# KiCad board beaglebone-ai-rev-a2.kicad_pcb (continued)
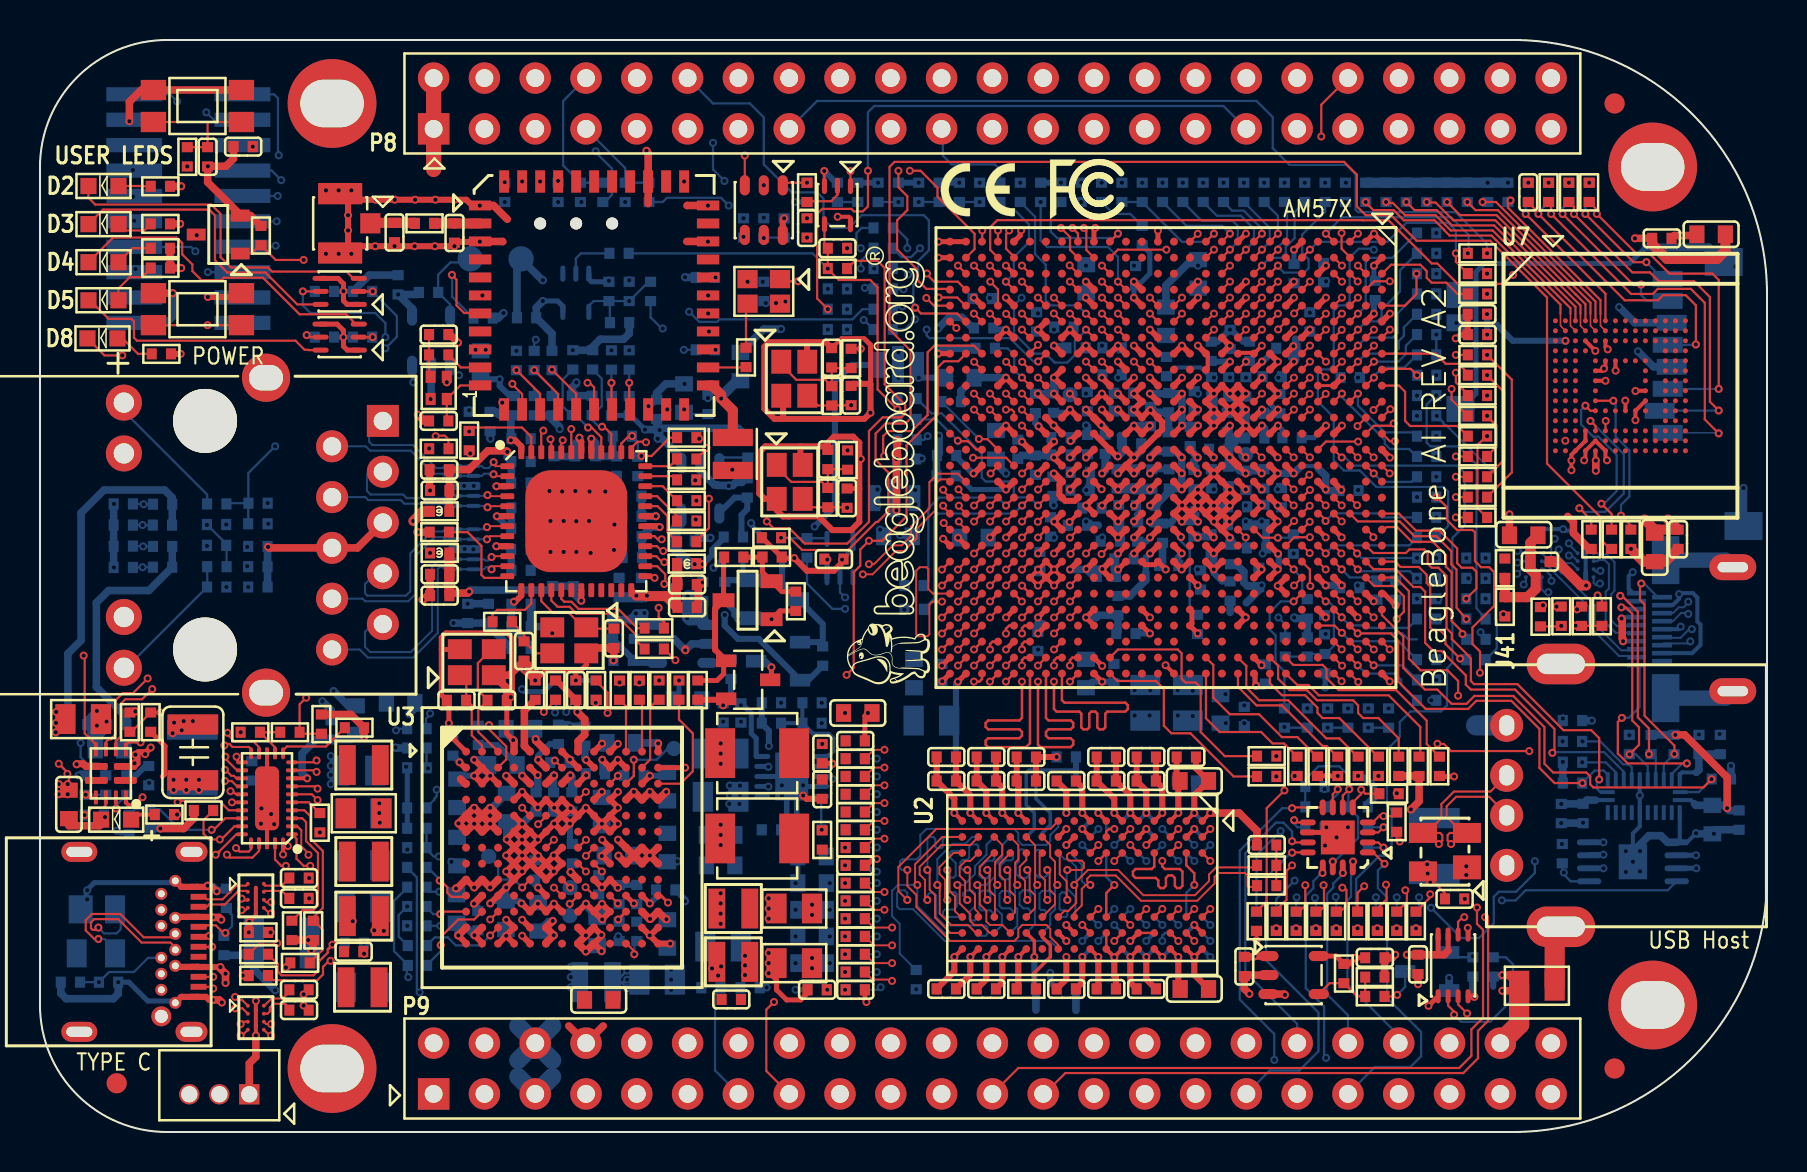
[diagram p0: board, top side]
## Routing (per net, layer and track width the routed paths; a pad name or vN(x,y) marks a point on that pad's centre or on a via; arc(x,y) is an arc through that point) (continued)
/DDR/DDR Part 1/DDR1_D4: length 32.8
  TOP w0.127: U4.AF24 v1(46.71,25.73)
  SIG_L5 w0.121: v1(46.71,25.73) 47.12,26.14 47.69,26.14 47.9,26.35 47.9,26.72 48.1,26.92 48.45,26.92 48.7,27.18 48.7,27.52 48.9,27.72 49.3,27.72 49.5,27.52 49.5,27.18 49.75,26.92 50.1,26.92 50.3,26.72 50.3,26.38 50.55,26.12 50.9,26.12 51.1,25.92 51.1,25.58 51.4,25.28 52.11,25.28 55.12,22.27 55.12,21.84 58.92,18.04 58.92,12.97 57.35,11.41 57.35,11.06 57.08,10.78 56.83,10.78 56.55,10.51 56.55,10.26 56.28,9.98 56.03,9.98 55.75,9.71 55.75,9.46 55.47,9.17 53.31,9.17 v1(52.92,9.55)
  BOTTOM w0.127: U11.G2 v1(52.92,9.55)
/DDR/DDR Part 1/DDR1_D5: length 32.3
  TOP w0.127: U4.AE24 v1(47.51,25.73)
  SIG_L5 w0.121: v1(47.51,25.73) 47.75,25.73 48.14,26.11 48.49,26.11 48.7,26.32 48.7,26.7 48.93,26.92 49.28,26.92 49.5,26.7 49.5,26.38 49.75,26.12 50.05,26.12 50.3,25.88 50.3,25.52 50.5,25.32 50.85,25.32 51.28,24.9 51.92,24.9 52.68,24.14 52.68,23.18 52.94,22.93 53.95,22.93 54.34,22.55 54.34,21.79 54.46,21.66 54.78,21.66 54.91,21.53 54.91,21.34 54.78,21.22 54.46,21.22 54.34,21.09 54.34,20.58 54.46,20.45 56.05,20.45 58.12,18.38 58.12,13.32 56.52,11.72 56.52,10.95 56.32,10.75 56,10.75 55.72,10.47 55.72,10.15 55.53,9.96 52.62,9.96 52.49,10.09 52.49,10.23 52.62,10.35 v1(52.92,10.35)
  BOTTOM w0.127: U11.H3 v1(52.92,10.35)
/DDR/DDR Part 1/DDR1_D6: length 32.4
  TOP w0.127: U4.AF23 v1(46.71,26.53)
  SIG_L5 w0.121: v1(54.52,13.55) 54.56,13.6 54.81,13.6 55.17,13.95 55.58,13.95 55.76,14.13 55.76,14.53 55.98,14.75 56.37,14.75 56.52,14.9 56.52,16.5 56.37,16.64 56.18,16.64 56.05,16.77 56.05,16.96 56.18,17.09 56.81,17.09 56.94,17.22 56.94,17.41 56.81,17.53 55.67,17.53 55.54,17.66 55.54,18.29 55.41,18.42 53.7,18.42 53.57,18.55 53.57,19.82 53.45,19.95 52.05,19.95 51.92,20.07 51.92,20.26 52.05,20.39 53.45,20.39 53.57,20.52 53.57,20.71 53.45,20.83 52.05,20.83 51.92,20.96 51.92,21.15 52.05,21.28 53.45,21.28 53.57,21.41 53.57,21.6 53.45,21.72 52.05,21.72 51.92,21.85 51.92,23.6 51.8,23.72 49.75,23.72 49.5,23.98 49.5,25.09 49.27,25.32 46.55,25.32 46.3,25.58 46.3,26.12 v1(46.71,26.53)
  BOTTOM w0.127: U11.F7 v1(54.52,13.55)
/DDR/DDR Part 1/DDR1_D7: length 32.5
  TOP w0.127: U4.AE23 v1(47.51,26.53)
  SIG_L5 w0.121: v1(53.72,14.35) 53.72,14.63 54.09,15 54.09,15.37 53.9,15.56 53.57,15.56 53.32,15.82 53.32,16.33 53.13,16.52 53.13,17.15 53,17.28 51.54,17.28 50.46,18.36 50.46,18.99 50.33,19.12 49.7,19.12 49.57,19.25 49.57,19.44 49.7,19.56 50.65,19.56 50.78,19.69 50.78,19.88 50.65,20.01 48.81,20.01 48.68,20.14 48.68,20.33 48.81,20.45 50.65,20.45 50.78,20.58 50.78,20.77 50.65,20.9 48.43,20.9 48.3,21.03 48.3,21.53 48.18,21.66 46.02,21.66 45.89,21.79 45.89,21.98 46.02,22.1 47.79,22.1 47.92,22.23 47.92,22.8 47.79,22.93 46.46,22.93 46.3,23.09 46.3,25.1 46.04,25.36 45.75,25.36 45.54,25.57 45.54,26.76 45.7,26.92 47.11,26.92 v1(47.51,26.53)
  BOTTOM w0.127: U11.F8 v1(53.72,14.35)
/DDR/DDR Part 1/DDR1_D8: length 30.4
  TOP w0.127: U4.AC23 v1(49.11,27.32)
  SIG_L10 w0.121: v1(49.11,27.32) 49.09,27.3 49.09,27.08 48.61,26.6 48.61,26.43 48.91,26.13 50.07,26.13 50.33,25.87 50.33,25.53 50.53,25.34 50.84,25.34 51.22,24.96 51.48,24.96 52.68,23.76 52.68,23.18 52.94,22.93 53.38,22.93 53.51,22.8 53.51,22.36 53.64,22.23 53.85,22.23 53.98,22.1 53.98,21.91 53.85,21.79 53.19,21.79 53.07,21.66 53.07,21.47 53.19,21.34 54.98,21.34 55.11,21.22 55.11,20.58 55.24,20.45 56.24,20.45 56.68,20.01 57.61,20.01 61.26,16.36 61.26,11.99 58.83,9.55 v1(58.52,9.55)
  BOTTOM w0.127: U11.A2 v1(58.52,9.55)
/DDR/DDR Part 1/DDR1_D9: length 30.8
  TOP w0.127: U4.AF27 v1(46.7,23.32)
  SIG_L10 w0.121: v1(46.7,23.32) 46.46,23.32 46.07,23.72 45.74,23.72 45.51,23.49 45.51,22.23 45.58,22.16 45.58,22.16 45.89,21.85 45.89,20.64 46.65,19.88 49.38,19.88 49.51,19.76 49.51,18.55 51.73,16.33 51.73,13.34 52.11,12.96 52.11,11.69 51.73,11.31 51.73,9.28 51.86,9.15 54.78,9.15 54.91,9.29 54.91,10.49 55.16,10.74 55.54,10.74 55.73,10.93 55.73,11.31 56.11,11.69 56.11,12.64 56.49,13.02 56.49,14.23 56.37,14.35 v1(56.12,14.35)
  BOTTOM w0.127: U11.D7 v1(56.12,14.35)
/DDR/DDR Part 1/DDR1_D10: length 30.3
  TOP w0.127: U4.AG27 v1(45.9,23.32)
  SIG_L10 w0.121: v1(57.72,14.35) 57.72,14.35 57.32,14.75 55.82,14.75 55.69,14.62 55.69,12.64 55.57,12.52 55.03,12.52 54.91,12.39 54.91,12.2 55.03,12.07 55.57,12.07 55.69,11.94 55.69,11.75 55.57,11.63 55.03,11.63 54.91,11.5 54.91,10.99 54.65,10.74 54.34,10.74 54.14,10.55 54.14,10.1 54.02,9.98 52.62,9.98 52.49,10.1 52.49,11.25 52.94,11.69 52.94,12.9 52.49,13.34 52.49,16.2 52.37,16.33 52.24,16.33 49.95,18.61 49.95,20.14 49.83,20.26 46.78,20.26 46.27,20.77 46.27,22.87 45.9,23.23 v1(45.9,23.32)
  BOTTOM w0.127: U11.B8 v1(57.72,14.35)
/DDR/DDR Part 1/DDR1_D11: length 30.3
  TOP w0.127: U4.AF28 47.1,22.65 46.98,22.52 v1(46.7,22.52)
  SIG_L10 w0.121: v1(46.7,22.52) 46.7,22.13 46.61,22.04 46.61,20.94 46.91,20.64 50.21,20.64 50.33,20.52 50.33,18.74 52.37,16.71 53.21,16.71 53.33,16.58 53.33,13.28 53.46,13.15 53.7,13.15 53.83,13.02 53.83,12.9 53.7,12.77 53.45,12.77 53.32,12.64 53.32,12.07 53.45,11.94 53.72,11.94 53.83,11.83 53.83,11.68 53.72,11.56 53.46,11.56 53.29,11.39 53.29,10.91 53.46,10.74 53.83,10.74 54.14,11.06 54.14,11.5 54.27,11.63 54.53,11.63 54.65,11.75 54.65,11.94 54.53,12.07 54.27,12.07 54.14,12.2 54.14,12.39 54.27,12.52 54.53,12.52 54.65,12.64 54.65,12.83 54.53,12.96 54.27,12.96 54.14,13.09 54.14,13.85 54.27,13.98 54.79,13.98 54.91,14.1 54.91,14.62 54.79,14.74 54.27,14.74 54.1,14.91 54.1,15.39 54.28,15.57 56.13,15.57 56.26,15.44 56.26,15.29 v1(56.12,15.15)
  BOTTOM w0.127: U11.C8 v1(56.12,15.15)
/DDR/DDR Part 1/DDR1_D12: length 30.4
  TOP w0.127: U4.AE26 47.64,24.52 47.51,24.4 v1(47.51,24.13)
  SIG_L10 w0.121: v1(47.51,24.13) 47.51,23.89 47.64,23.76 50.03,23.76 50.33,23.45 50.33,23.06 50.46,22.93 50.84,22.93 51.1,22.68 51.1,22.23 51.22,22.1 51.8,22.1 51.92,21.98 51.92,20.32 52.05,20.2 53.45,20.2 53.57,20.07 53.57,18.99 53.7,18.87 57.19,18.87 59.67,16.39 59.67,12.07 59.54,11.94 57.65,11.94 57.52,11.82 57.52,11.56 57.4,11.44 57.19,11.44 57.07,11.56 57.07,12.52 56.94,12.64 56.62,12.64 56.49,12.52 56.49,10.48 56.62,10.35 v1(56.92,10.35)
  BOTTOM w0.127: U11.C3 v1(56.92,10.35)
/DDR/DDR Part 1/DDR1_D13: length 30.4
  TOP w0.127: v1(49.11,24.93) 49.11,25.2 49.24,25.32 U4.AC25
  SIG_L10 w0.121: v1(56.12,9.55) U11.C2 57.17,9.95 57.35,10.13 57.35,10.56 57.52,10.74 57.93,10.74 58.11,10.56 58.11,10.13 58.29,9.95 58.7,9.95 60.88,12.14 60.88,13.79 60.43,14.23 60.43,14.48 60.88,14.93 60.88,16.2 57.45,19.63 56.56,19.63 56.11,20.07 54.46,20.07 54.34,20.2 54.34,20.83 54.21,20.96 52.81,20.96 52.68,21.09 52.68,22.68 52.3,23.06 52.3,23.64 51.43,24.52 50.6,24.52 50.33,24.78 50.33,25.04 50.03,25.34 49.8,25.34 49.39,24.93 v1(49.11,24.93)
  BOTTOM w0.127: v1(56.12,9.55) 56.12,9.82 56.26,9.95 U11.C2
/DDR/DDR Part 1/DDR1_D14: length 30.4
  TOP w0.127: U4.AC24 v1(49.11,25.73)
  SIG_L10 w0.121: v1(49.11,25.73) 49.33,25.73 49.45,25.62 49.45,25.46 49.33,25.34 48.81,25.34 48.69,25.46 48.69,25.88 48.44,26.14 48.13,26.14 47.91,25.92 47.91,25.47 47.79,25.34 47.34,25.34 47.22,25.23 47.22,25.07 47.34,24.96 47.79,24.96 47.91,24.84 47.91,24.71 47.76,24.56 46.55,24.56 46.32,24.33 46.32,23.95 46.55,23.72 46.88,23.72 47.11,23.49 47.11,23.32 47.11,23.31 47.11,21.15 47.24,21.03 50.59,21.03 50.72,20.9 50.72,19.44 51.22,18.93 51.22,18.36 52.49,17.09 53.57,17.09 53.7,16.96 53.7,16.45 53.82,16.33 56.36,16.33 56.54,16.15 56.54,15.68 56.66,15.56 57.19,15.56 57.32,15.69 57.32,16.2 57.48,16.36 57.89,16.36 58.13,16.11 58.13,14.04 58.26,13.91 58.39,13.91 58.52,14.04 v1(58.52,14.35)
  BOTTOM w0.127: U11.A7 v1(58.52,14.35)
/DDR/DDR Part 1/DDR1_D15: length 30.4
  TOP w0.127: v1(48.3,24.92) 48.3,25.16 48.46,25.32 U4.AD25
  SIG_L10 w0.121: v1(48.3,24.92) 48.3,24.59 48.39,24.51 50.06,24.51 50.33,24.24 50.33,23.92 50.5,23.76 51.73,23.76 51.92,23.57 51.92,22.93 52.3,22.55 52.3,20.72 52.44,20.58 53.83,20.58 53.95,20.45 53.95,19.37 54.08,19.25 54.27,19.25 54.4,19.37 54.4,19.56 54.53,19.69 54.72,19.69 54.84,19.56 54.84,19.37 54.97,19.25 55.16,19.25 55.29,19.37 55.29,19.56 55.41,19.69 55.99,19.69 56.11,19.56 56.11,19.37 56.24,19.25 57.32,19.25 60.47,16.09 60.47,15.92 60.37,15.82 60.18,15.82 60.05,15.69 60.05,15.5 60.18,15.37 60.37,15.37 60.49,15.25 60.49,15.06 60.37,14.93 60.18,14.93 60.05,14.8 60.05,13.9 60.17,13.78 60.37,13.78 60.49,13.65 60.49,13.42 60.37,13.3 60.17,13.3 60.05,13.18 60.05,12.96 60.18,12.83 60.37,12.83 60.49,12.71 60.49,12.52 60.37,12.39 60.18,12.39 60.05,12.26 60.05,11.82 59.8,11.56 58.23,11.56 58.11,11.44 58.11,11.04 58.52,10.63 v1(58.52,10.35)
  BOTTOM w0.127: U11.A3 v1(58.52,10.35)
/DDR/DDR Part 1/DDR1_D16: length 31.5
  TOP w0.127: U4.V20 v1(53.08,28.91) ; U2.H8 v1(52.12,10.35)
  INT_L3 w0.121: v1(53.08,28.91) 52.74,28.56 52.74,28.02 53.81,26.95 54.92,26.95 58.92,22.96 58.92,12.07 58.16,11.31 58.16,11.02 57.85,10.72 57.57,10.72 57.36,10.51 57.36,10.2 57.07,9.92 56.77,9.92 56.56,9.71 56.56,9.4 56.27,9.12 55.97,9.12 55.76,8.91 55.76,8.61 55.5,8.35 54.41,8.35 54.16,8.6 54.16,8.89 53.9,9.14 53.58,9.14 53.29,9.44 53.29,9.71 53.05,9.94 52.53,9.94 v1(52.12,10.35)
/DDR/DDR Part 1/DDR1_D17: length 31.5
  TOP w0.127: U2.H7 v1(52.92,11.15) ; U4.W20 v1(52.31,28.93)
  INT_L3 w0.121: v1(52.31,28.93) 51.94,29.3 51.37,29.3 51.1,29.03 51.1,26.42 51.38,26.14 53.7,26.14 55.55,24.29 56.57,24.29 58.22,22.64 58.22,16.97 57.32,16.07 57.32,11.75 57.09,11.52 56.77,11.52 56.56,11.31 56.56,11 56.27,10.72 55.97,10.72 55.76,10.51 55.76,10.19 55.52,9.95 53.52,9.95 53.32,10.15 53.32,10.75 v1(52.92,11.15)
/DDR/DDR Part 1/DDR1_D18: length 31.3
  TOP w0.127: U2.E3 v1(54.52,14.35) ; v1(49.9,22.52) 49.9,19.37 50.03,19.25 51.54,19.25 51.67,19.37 51.67,19.56 51.54,19.69 50.43,19.69 50.3,19.82 50.3,20.01 50.43,20.14 51.54,20.14 51.67,20.26 51.67,20.45 51.54,20.58 50.43,20.58 50.3,20.71 U4.AB28
  INT_L3 w0.121: v1(49.9,22.52) 49.9,22.77 50.03,22.9 50.99,22.9 51.12,23.02 51.12,23.5 51.45,23.82 51.45,24.48 51.57,24.61 53.71,24.61 53.84,24.48 53.84,23.28 53.96,23.15 54.6,23.15 54.73,23.02 54.73,22.64 54.85,22.51 56,22.51 56.18,22.33 56.18,17.42 54.92,16.15 54.92,14.75 v1(54.52,14.35)
/DDR/DDR Part 1/DDR1_D19: length 31.5
  TOP w0.127: v1(49.1,22.52) 49.1,20.71 48.98,20.58 47.41,20.58 47.29,20.45 47.29,20.26 47.41,20.14 48.98,20.14 49.1,20.01 49.1,19.82 48.98,19.69 47.41,19.69 47.29,19.56 47.29,19.37 47.41,19.25 49.31,19.25 49.5,19.44 U4.AC28 ; U2.F2 v1(54.52,15.15)
  INT_L3 w0.121: v1(49.1,22.52) 49.1,21.82 49.23,21.69 54.15,21.69 54.6,21.24 54.98,21.24 55.11,21.12 55.11,20.55 54.98,20.42 54.66,20.42 54.53,20.29 54.53,17.05 54.41,16.93 53.01,16.93 52.88,16.8 52.88,16.61 53.01,16.48 53.19,16.48 53.32,16.35 53.32,14.95 53.52,14.75 54.33,14.75 54.52,14.94 v1(54.52,15.15)
/DDR/DDR Part 1/DDR1_D20: length 31.2
  TOP w0.127: U2.G2 53.32,15.03 53.45,15.15 v1(53.72,15.15) ; v1(49.1,23.32) 49.1,23.6 49.23,23.72 U4.AC27
  INT_L3 w0.121: v1(49.1,23.32) 49.51,22.92 49.51,22.2 49.64,22.07 51.77,22.07 51.89,22.2 51.89,24.1 52.02,24.23 52.2,24.23 52.32,24.1 52.32,22.2 52.45,22.07 52.6,22.07 52.73,22.2 52.73,24.1 52.86,24.23 53.37,24.23 53.49,24.1 53.49,22.2 53.62,22.07 53.77,22.07 53.9,22.2 53.9,22.64 54.03,22.77 54.22,22.77 54.34,22.64 54.34,21.96 54.68,21.63 55.73,21.63 55.86,21.5 55.86,20.16 55.73,20.04 55.04,20.04 54.92,19.91 54.92,19.72 55.04,19.59 55.68,19.59 55.8,19.47 55.8,19.28 55.68,19.15 55.04,19.15 54.92,19.02 54.92,18.83 55.04,18.7 55.68,18.7 55.8,18.58 55.8,18.39 55.68,18.26 55.04,18.26 54.92,18.13 54.92,17.94 55.04,17.82 55.68,17.82 55.8,17.69 55.8,17.5 55.68,17.37 55.04,17.37 54.92,17.24 54.92,16.67 54.79,16.55 54.25,16.55 54.12,16.42 54.12,15.31 53.97,15.15 v1(53.72,15.15)
/DDR/DDR Part 1/DDR1_D21: length 31
  TOP w0.127: U2.F7 v1(54.52,10.35) ; v1(51.5,29.73) U4.Y19
  INT_L3 w0.121: v1(54.52,10.35) 54.92,10.75 55.52,10.75 55.72,10.95 55.72,11.28 56,11.55 56.32,11.55 56.52,11.75 56.52,16.23 56.64,16.35 57.07,16.35 57.84,17.12 57.84,20.04 57.28,20.6 57.28,23.07 56.44,23.91 56,23.91 55.87,23.78 55.87,23.53 55.74,23.4 55.55,23.4 55.42,23.53 55.42,23.78 55.3,23.91 54.73,23.91 54.6,24.04 54.6,24.74 53.99,25.35 51.33,25.35 51.12,25.55 51.12,25.87 50.85,26.14 50.55,26.14 50.32,26.37 50.32,29.98 50.46,30.12 51.33,30.12 51.46,30 51.46,29.77 v1(51.5,29.73)
/DDR/DDR Part 1/DDR1_D22: length 31.1
  TOP w0.127: U2.H3 v1(52.92,14.35) ; U4.AB27 v1(49.9,23.32)
  INT_L3 w0.121: v1(49.9,23.32) 49.84,23.39 49.6,23.39 49.26,23.74 48.84,23.74 48.71,23.61 48.71,21.43 48.84,21.31 54.03,21.31 54.15,21.18 54.15,20.99 54.03,20.86 52.74,20.86 52.62,20.74 52.62,20.55 52.74,20.42 54.03,20.42 54.15,20.29 54.15,20.1 54.03,19.97 52.77,19.97 52.64,19.85 52.64,19.66 52.77,19.53 54.03,19.53 54.15,19.4 54.15,19.21 54.03,19.09 52.82,19.09 52.69,18.96 52.69,18.77 52.82,18.64 54.03,18.64 54.15,18.51 54.15,18.32 54.03,18.2 52.82,18.2 52.69,18.07 52.69,17.88 52.82,17.75 54.03,17.75 54.15,17.62 54.15,17.43 54.03,17.31 52.63,17.31 52.5,17.18 52.5,15.66 52.38,15.53 51.87,15.53 51.74,15.4 51.74,14.89 51.87,14.77 52.88,14.77 53.01,14.64 53.01,14.42 52.95,14.35 v1(52.92,14.35)
/DDR/DDR Part 1/DDR1_D23: length 31.1
  TOP w0.127: v1(51.54,28.91) 51.54,28.96 U4.Y20 ; U2.F8 v1(53.72,9.55)
  INT_L3 w0.121: v1(51.54,28.91) 51.81,28.63 51.82,28.63 51.92,28.53 51.92,26.71 52.08,26.55 52.31,26.55 52.44,26.68 52.44,27.28 52.57,27.4 52.76,27.4 52.88,27.28 52.88,26.68 53.01,26.55 54.73,26.55 54.85,26.43 54.85,25.48 54.98,25.35 56.01,25.35 58.59,22.77 58.59,16.58 58.12,16.11 58.12,11.75 57.89,11.52 57.57,11.52 57.36,11.31 57.36,11 57.07,10.72 56.77,10.72 56.56,10.51 56.56,10.2 56.27,9.92 55.97,9.92 55.76,9.71 55.76,9.4 55.52,9.16 54.36,9.16 53.97,9.55 v1(53.72,9.55)
/DDR/DDR Part 1/DDR1_D24: length 30.4
  TOP w0.127: U2.A7 v1(58.52,11.15) ; U4.AA23 v1(50.71,26.53)
  SIG_L8 w0.121: v1(50.71,26.53) 50.65,26.53 50.53,26.66 50.53,26.8 50.65,26.93 50.99,26.93 51.12,26.8 51.12,25.57 51.72,24.96 52.56,24.96 53.51,24.01 53.51,22.68 53.64,22.55 53.83,22.55 53.95,22.68 53.95,22.99 54.08,23.12 54.46,23.12 54.59,22.99 54.59,22.61 54.34,22.36 54.34,21.34 54.46,21.22 55.73,21.22 55.92,21.03 55.92,20.58 55.8,20.45 55.35,20.45 55.22,20.33 55.22,20.14 55.35,20.01 55.8,20.01 55.92,19.88 55.92,18.93 56.24,18.61 57.32,18.61 57.57,18.36 57.95,18.36 58.21,18.61 58.84,18.61 59.67,17.79 59.67,11.75 59.54,11.63 59.29,11.63 59.16,11.5 59.16,11.31 59.29,11.18 59.54,11.18 59.67,11.06 59.67,10.87 59.54,10.74 58.27,10.74 58.15,10.87 58.15,11.03 58.27,11.15 v1(58.52,11.15)
/DDR/DDR Part 1/DDR1_D25: length 30.4
  TOP w0.127: U2.D7 v1(56.12,11.15) ; U4.Y22 v1(51.51,27.33)
  SIG_L8 w0.121: v1(56.12,11.15) 56.52,10.75 56.52,9.31 56.68,9.15 57.05,9.15 57.32,8.88 57.32,8.58 57.52,8.38 58.71,8.38 61.26,10.93 61.26,17.72 57.29,21.69 56.74,21.69 56.49,21.93 56.49,22.58 52.02,27.05 51.78,27.05 v1(51.51,27.33)
/DDR/DDR Part 1/DDR1_D26: length 30.3
  TOP w0.127: U4.Y23 v1(51.51,26.53) ; U2.C8 v1(56.92,9.55)
  SIG_L8 w0.121: v1(56.92,9.55) 57.17,9.55 57.57,9.15 58.97,9.15 60.43,10.61 60.43,11.38 60.55,11.5 60.81,11.5 60.93,11.62 60.93,11.86 60.81,11.98 60.55,11.98 60.43,12.1 60.43,12.34 60.55,12.46 60.81,12.46 60.93,12.58 60.93,12.83 60.81,12.95 60.55,12.95 60.43,13.07 60.43,13.31 60.55,13.43 60.81,13.43 60.93,13.55 60.93,13.79 60.81,13.91 60.55,13.91 60.43,14.03 60.43,14.62 60.55,14.74 60.81,14.74 60.93,14.86 60.93,15.1 60.81,15.22 60.55,15.22 60.43,15.34 60.43,15.58 60.55,15.7 60.81,15.7 60.93,15.83 60.93,16.07 60.81,16.19 60.55,16.19 60.43,16.31 60.43,16.55 60.55,16.67 60.81,16.67 60.93,16.79 60.93,17.03 60.81,17.15 60.55,17.15 60.43,17.27 60.43,18.04 58.08,20.39 57.51,20.39 57.27,20.63 57.27,21.2 57.13,21.34 56.62,21.34 56.11,21.85 56.11,22.49 52.07,26.53 v1(51.51,26.53)
/DDR/DDR Part 1/DDR1_D27: length 29.9
  TOP w0.127: U2.C3 v1(56.92,14.35) ; U4.AA24 v1(50.71,25.73)
  SIG_L8 w0.121: v1(56.92,14.35) 56.92,14.5 56.79,14.62 56.63,14.62 56.51,14.5 56.51,14.07 56.63,13.94 57.22,13.94 57.35,14.07 57.35,14.61 57.47,14.74 57.87,14.74 58.11,14.98 58.11,15.41 57.95,15.57 55.04,15.57 54.91,15.69 54.91,16.25 54.78,16.39 54.65,16.39 54.53,16.52 54.53,16.71 54.65,16.83 55.16,16.83 55.29,16.96 55.29,17.15 55.16,17.28 53.32,17.28 53.19,17.41 53.19,17.6 53.32,17.72 55.16,17.72 55.29,17.85 55.29,18.04 55.16,18.17 53.32,18.17 53.19,18.29 53.19,20.33 53.07,20.45 52.18,20.45 52.05,20.58 52.05,20.77 52.18,20.9 53.07,20.9 53.19,21.03 53.19,21.22 53.07,21.34 52.18,21.34 52.05,21.47 52.05,22.04 51.92,22.17 51.73,22.17 51.6,22.04 51.6,21.79 51.48,21.66 51.24,21.66 51.11,21.79 51.11,25.08 50.71,25.48 v1(50.71,25.73)
/DDR/DDR Part 1/DDR1_D28: length 29.9
  TOP w0.127: U2.B8 v1(57.72,9.55) ; U4.Y24 v1(51.51,25.73)
  SIG_L8 w0.121: v1(57.72,9.55) 57.7,9.55 57.7,9.85 57.83,9.98 59.29,9.98 60.05,10.74 60.05,17.91 58.97,18.99 58.21,18.99 58.08,19.12 58.08,19.88 57.95,20.01 57.76,20.01 57.64,19.88 57.64,19.12 57.51,18.99 57.32,18.99 57.19,19.12 57.19,20.2 57.07,20.33 56.88,20.33 56.75,20.2 56.75,19.12 56.62,18.99 56.43,18.99 56.3,19.12 56.3,21.15 55.74,21.72 55.24,21.72 55.12,21.84 55.12,22.97 52.74,25.35 52.04,25.35 51.92,25.47 51.92,26.03 51.8,26.16 51.63,26.16 51.51,26.03 v1(51.51,25.73)
/DDR/DDR Part 1/DDR1_D29: length 30.3
  TOP w0.127: U4.AA26 v1(50.71,24.13) ; U2.A2 v1(58.52,15.15)
  SIG_L8 w0.121: v1(58.52,15.15) 58.52,14.92 58.12,14.52 58.12,13.38 57.83,13.09 56.66,13.09 56.53,12.96 56.53,12.24 56.24,11.94 54.97,11.94 54.84,12.07 54.84,12.96 54.65,13.15 54.27,13.15 54.14,13.28 54.14,13.66 53.83,13.98 53.57,13.98 53.32,14.23 53.32,14.48 53.07,14.74 52.81,14.74 52.53,15.02 52.53,16.1 51.6,17.02 51.6,19.18 51.18,19.61 50.52,19.61 50.4,19.73 50.4,20.39 49.5,21.29 49.19,21.29 49.06,21.41 49.06,21.91 49.51,22.36 49.51,23.5 49.32,23.69 47.22,23.69 47.1,23.82 47.1,24.84 47.22,24.96 47.79,24.96 47.92,24.84 47.92,24.66 48.04,24.54 50.56,24.54 50.71,24.39 v1(50.71,24.13)
/DDR/DDR Part 1/DDR1_D30: length 30.3
  TOP w0.127: U2.A3 v1(58.52,13.55) ; U4.AA25 v1(50.71,24.93)
  SIG_L8 w0.121: v1(58.52,13.55) 58.53,13.55 58.53,13.28 58,12.75 57.55,12.75 56.37,11.56 54.59,11.56 54.46,11.69 54.46,12.64 54.34,12.77 53.97,12.77 53.32,13.42 53.32,13.72 53.07,13.98 52.75,13.98 52.49,14.23 52.49,14.55 52.3,14.74 52,14.74 51.73,15.01 51.73,16.33 51.22,16.83 51.22,19.06 51,19.28 50.14,19.28 50.02,19.4 50.02,20.26 49.37,20.91 48.8,20.91 48.68,21.03 48.68,22.68 48.43,22.93 46.46,22.93 46.33,23.06 46.33,25.22 46.47,25.35 50.29,25.35 v1(50.71,24.93)
/DDR/DDR Part 1/DDR1_D31: length 30.2
  TOP w0.127: U2.C2 v1(56.92,15.15) ; v1(50.7,22.52) 50.7,21.15 50.83,21.03 51.97,21.03 52.07,20.93 52.07,20.24 52.17,20.14 52.37,20.14 52.47,20.24 52.47,20.93 52.57,21.03 52.77,21.03 52.87,20.93 52.87,20.24 52.97,20.14 53.17,20.14 53.27,20.24 53.27,20.93 53.37,21.03 54.27,21.03 54.4,21.15 54.4,21.34 54.27,21.47 51.23,21.47 51.1,21.6 U4.AA28
  SIG_L8 w0.121: v1(50.7,22.52) 50.7,21.41 50.83,21.28 51.54,21.28 51.67,21.15 51.67,20.45 52.05,20.07 52.68,20.07 52.81,19.95 52.81,19.76 52.68,19.63 52.49,19.63 52.37,19.5 52.37,19.31 52.49,19.18 52.68,19.18 52.81,19.06 52.81,18.87 52.68,18.74 52.44,18.74 52.31,18.61 52.31,18.42 52.44,18.29 52.68,18.29 52.81,18.17 52.81,17.91 52.68,17.79 52.44,17.79 52.31,17.66 52.31,17.47 52.44,17.34 52.68,17.34 52.81,17.22 52.81,16.96 52.94,16.83 54.01,16.83 54.13,16.71 54.13,15.01 54.4,14.74 54.78,14.74 54.91,14.61 54.91,14.24 55.17,13.98 55.48,13.98 55.73,14.23 55.73,14.61 55.86,14.74 56.24,14.74 56.66,15.15 v1(56.92,15.15)
/DDR/DDR Part 1/DDR1_DQM0: length 32.5
  TOP w0.127: U4.AD23 v1(49.1,26.53)
  SIG_L5 w0.121: v1(49.1,26.53) 49.1,26.28 49.5,25.88 49.5,25.6 49.76,25.34 50.02,25.34 50.33,25.03 50.33,24.71 50.52,24.52 51.8,24.52 52.3,24.01 52.3,22.23 52.43,22.1 53.83,22.1 53.95,21.98 53.95,18.93 54.08,18.8 54.35,18.8 54.47,18.92 54.47,19.95 54.6,20.07 54.82,20.07 54.95,19.95 54.95,18.92 55.07,18.8 55.31,18.8 55.43,18.92 55.43,19.95 55.56,20.07 55.79,20.07 55.92,19.95 55.92,18.92 56.04,18.8 57.19,18.8 57.32,18.68 57.32,18.49 57.19,18.36 56.05,18.36 55.92,18.23 55.92,18.04 56.05,17.91 57.64,17.91 57.76,17.79 57.76,17.6 57.64,17.47 57.45,17.47 57.32,17.34 57.32,17.15 57.45,17.02 57.64,17.02 57.76,16.9 57.76,16.71 57.64,16.58 57.45,16.58 57.32,16.45 57.32,13.02 57.19,12.9 55.48,12.9 55.35,13.02 55.35,13.55 v1(55.32,13.55)
  BOTTOM w0.127: U11.E7 v1(55.32,13.55)
/DDR/DDR Part 1/DDR1_DQM1: length 30.5
  TOP w0.127: U4.AB23 49.93,26.55 49.92,26.55 v1(49.9,26.54)
  SIG_L10 w0.121: v1(49.9,26.54) 50.16,26.54 50.59,26.1 50.91,26.1 51.1,25.92 51.1,25.6 51.35,25.34 51.6,25.34 54.34,22.61 54.34,21.94 54.58,21.69 55.51,21.69 56.81,20.39 57.7,20.39 61.64,16.45 61.64,11.88 58.91,9.15 55.97,9.15 55.73,9.39 55.73,9.96 v1(56.12,10.35)
  BOTTOM w0.127: U11.D3 v1(56.12,10.35)
/DDR/DDR Part 1/DDR1_DQM2: length 31.2
  TOP w0.127: U2.E7 v1(55.32,11.15) ; v1(49.11,24.13) 49.11,24.4 49.24,24.52 U4.AC26
  INT_L3 w0.121: v1(55.32,11.15) 55.32,11.49 55.74,11.91 56.06,11.91 56.19,12.04 56.19,12.16 56.06,12.28 55.82,12.28 55.7,12.41 55.7,12.6 55.82,12.73 56.05,12.73 56.19,12.86 56.19,13.05 56.06,13.18 55.85,13.18 55.72,13.31 55.72,16.4 56.25,16.93 57.14,16.93 57.27,17.05 57.27,17.24 57.14,17.37 56.64,17.37 56.52,17.5 56.52,17.69 56.64,17.82 57.33,17.82 57.46,17.94 57.46,18.13 57.33,18.26 56.64,18.26 56.52,18.39 56.52,18.58 56.64,18.7 57.33,18.7 57.46,18.83 57.46,19.02 57.33,19.15 56.64,19.15 56.52,19.28 56.52,19.47 56.64,19.59 57.33,19.59 57.46,19.72 57.46,19.91 57.33,20.04 56.64,20.04 56.52,20.16 56.52,22.77 56.39,22.9 55.23,22.9 55.11,23.02 55.11,23.4 54.98,23.53 54.34,23.53 54.22,23.66 54.22,24.61 53.87,24.95 51.32,24.95 51.12,24.75 51.12,23.95 50.92,23.75 49.73,23.75 49.35,24.13 v1(49.11,24.13)
/DDR/DDR Part 1/DDR1_DQM3: length 30
  TOP w0.127: v1(56.12,13.55) 56.12,13.28 56.25,13.15 57,13.15 57.13,13.02 57.13,12.31 57.02,12.2 56.86,12.2 56.75,12.31 56.75,12.71 56.62,12.83 56.43,12.83 56.3,12.71 56.3,12.31 56.19,12.2 56.03,12.2 55.92,12.31 55.92,12.58 55.8,12.71 54.78,12.71 54.65,12.83 54.65,13.02 54.78,13.15 55.59,13.15 55.72,13.28 U2.D3 ; U4.AA27 50.85,23.72 50.7,23.58 v1(50.7,23.32)
  SIG_L8 w0.121: v1(56.12,13.55) 56.18,13.55 56.24,13.62 56.24,13.85 56.11,13.98 55.96,13.98 55.73,13.75 55.73,12.9 55.86,12.77 56.05,12.77 56.18,12.64 56.18,12.41 56.05,12.29 55.35,12.29 55.22,12.41 55.22,13.09 54.91,13.41 54.91,13.76 54.69,13.98 54.34,13.98 54.14,14.17 54.14,14.48 53.89,14.74 53.57,14.74 53.32,14.99 53.32,15.31 53.13,15.5 53.13,15.64 53.32,15.83 53.32,16.14 53.1,16.36 52.78,16.36 51.99,17.15 51.99,19.63 51.67,19.95 50.91,19.95 50.78,20.07 50.78,20.33 50.91,20.45 51.16,20.45 51.29,20.58 51.29,20.77 51.16,20.9 50.4,20.9 50.27,21.03 50.27,21.47 50.14,21.6 49.7,21.6 49.57,21.72 49.57,21.91 49.7,22.04 50.14,22.04 50.27,22.17 50.27,22.68 50.4,22.8 50.4,23.06 50.27,23.18 50.27,23.63 50.4,23.76 50.58,23.76 50.7,23.63 v1(50.7,23.32)
/DDR/DDR Part 1/DDR1_DQS0: length 32.4
  TOP w0.127: v1(45.1,24.92) U4.AH25
  SIG_L5 w0.094: v1(45.1,24.92) 45.1,24.9 45.04,24.84 44.81,24.84 44.68,24.96 44.68,25.15 44.56,25.28 44.43,25.28 44.3,25.15 44.3,25.03 44.18,24.9 44.05,24.9 43.92,25.03 43.92,25.15 43.79,25.28 43.67,25.28 43.54,25.15 43.54,25.03 43.41,24.9 43.29,24.9 43.16,25.03 43.16,25.15 43.03,25.28 40.09,25.28 39.8,24.99 39.8,20.42 39.95,20.27 46.79,20.27 50.19,16.86 50.19,14.91 51.23,13.87 52.04,13.87 53.34,12.57 53.34,12.19 54.08,11.45 54.08,11.31 54.24,11.15 v1(54.52,11.15)
  BOTTOM w0.127: U11.F3 v1(54.52,11.15)
/DDR/DDR Part 1/DDR1_DQS1: length 30.5
  TOP w0.127: U4.AE27 v1(47.5,23.32)
  SIG_L10 w0.102: v1(56.92,13.55) 56.92,13.55 57.07,13.41 57.07,13.05 57.34,12.77 59.01,12.77 59.26,13.02 59.26,16.11 58.28,17.09 57.49,17.09 57.38,17.19 57.38,18.15 57.11,18.42 56.71,18.42 56.43,18.15 56.43,17.15 56.3,17.02 56.11,17.02 55.99,17.15 55.99,18.15 55.71,18.42 55.31,18.42 55.03,18.15 55.03,17.15 54.91,17.02 54.72,17.02 54.59,17.15 54.59,18.15 54.31,18.42 53.91,18.42 53.64,18.15 53.64,17.91 53.51,17.79 52.81,17.79 52.68,17.91 52.68,18.42 52.94,18.68 52.94,19.37 52.62,19.69 51.58,19.69 51.48,19.8 51.48,21.45 51.2,21.72 48.05,21.72 47.92,21.85 47.92,22.61 v1(47.5,23.32)
  BOTTOM w0.127: U11.C7 v1(56.92,13.55)
/DDR/DDR Part 1/DDR1_DQS2: length 31.3
  TOP w0.102: U2.F3 v1(53.72,13.55)
  TOP w0.127: U4.AD27 v1(48.3,23.32)
  INT_L3 w0.102: v1(53.72,13.55) 54.09,13.18 54.83,13.18 55.2,12.81 55.2,11.85 54.88,11.53 53.31,11.53 53.04,11.8 53.04,12.36 51.73,13.68 50.17,13.68 49.9,13.95 49.9,14.62 50.17,14.89 50.53,14.89 50.66,15.02 50.66,15.4 50.53,15.53 50.37,15.53 50.29,15.6 50.09,15.81 50.09,16.3 50.38,16.59 51.76,16.59 51.87,16.7 51.87,17.05 51.74,17.18 50.37,17.18 50.09,17.46 50.09,18.11 50.37,18.39 51.74,18.39 51.87,18.51 51.87,20.29 51.74,20.42 51.42,20.42 51.3,20.29 51.3,19.42 51.02,19.15 50.49,19.15 50.22,19.42 50.22,20.29 50.09,20.42 49.9,20.42 48.48,20.42 48.13,20.76 48.13,21.74 47.87,22 47.87,22.55 v1(48.3,23.32)
/DDR/DDR Part 1/DDR1_DQS3: length 29.9
  TOP w0.127: U2.C7 v1(56.92,11.15) ; U4.Y28 v1(51.5,22.52)
  SIG_L8 w0.094: v1(56.92,11.15) 57.33,11.57 57.33,11.69 57.63,11.99 58.77,11.99 58.91,12.12 58.91,17.66 58.72,17.85 58.46,17.85 58.34,17.72 58.34,16.64 58.03,16.34 57.51,16.34 57.21,16.64 57.21,17.72 57.08,17.85 56.88,17.85 56.75,17.72 56.75,16.64 56.44,16.34 55.99,16.34 55.68,16.64 55.68,18.1 55.1,18.69 53.94,18.69 53.65,18.98 53.65,19.4 53.94,19.69 54.46,19.69 54.59,19.82 54.59,20.01 54.46,20.14 53.96,20.14 53.65,20.44 53.65,21.66 53.51,21.8 52.75,21.8 52.43,22.12 52.43,24.09 52.32,24.2 52.11,24.2 51.99,24.07 51.99,23.01 v1(51.5,22.52)